# KiCad board Primero_esquematico.kicad_pcb
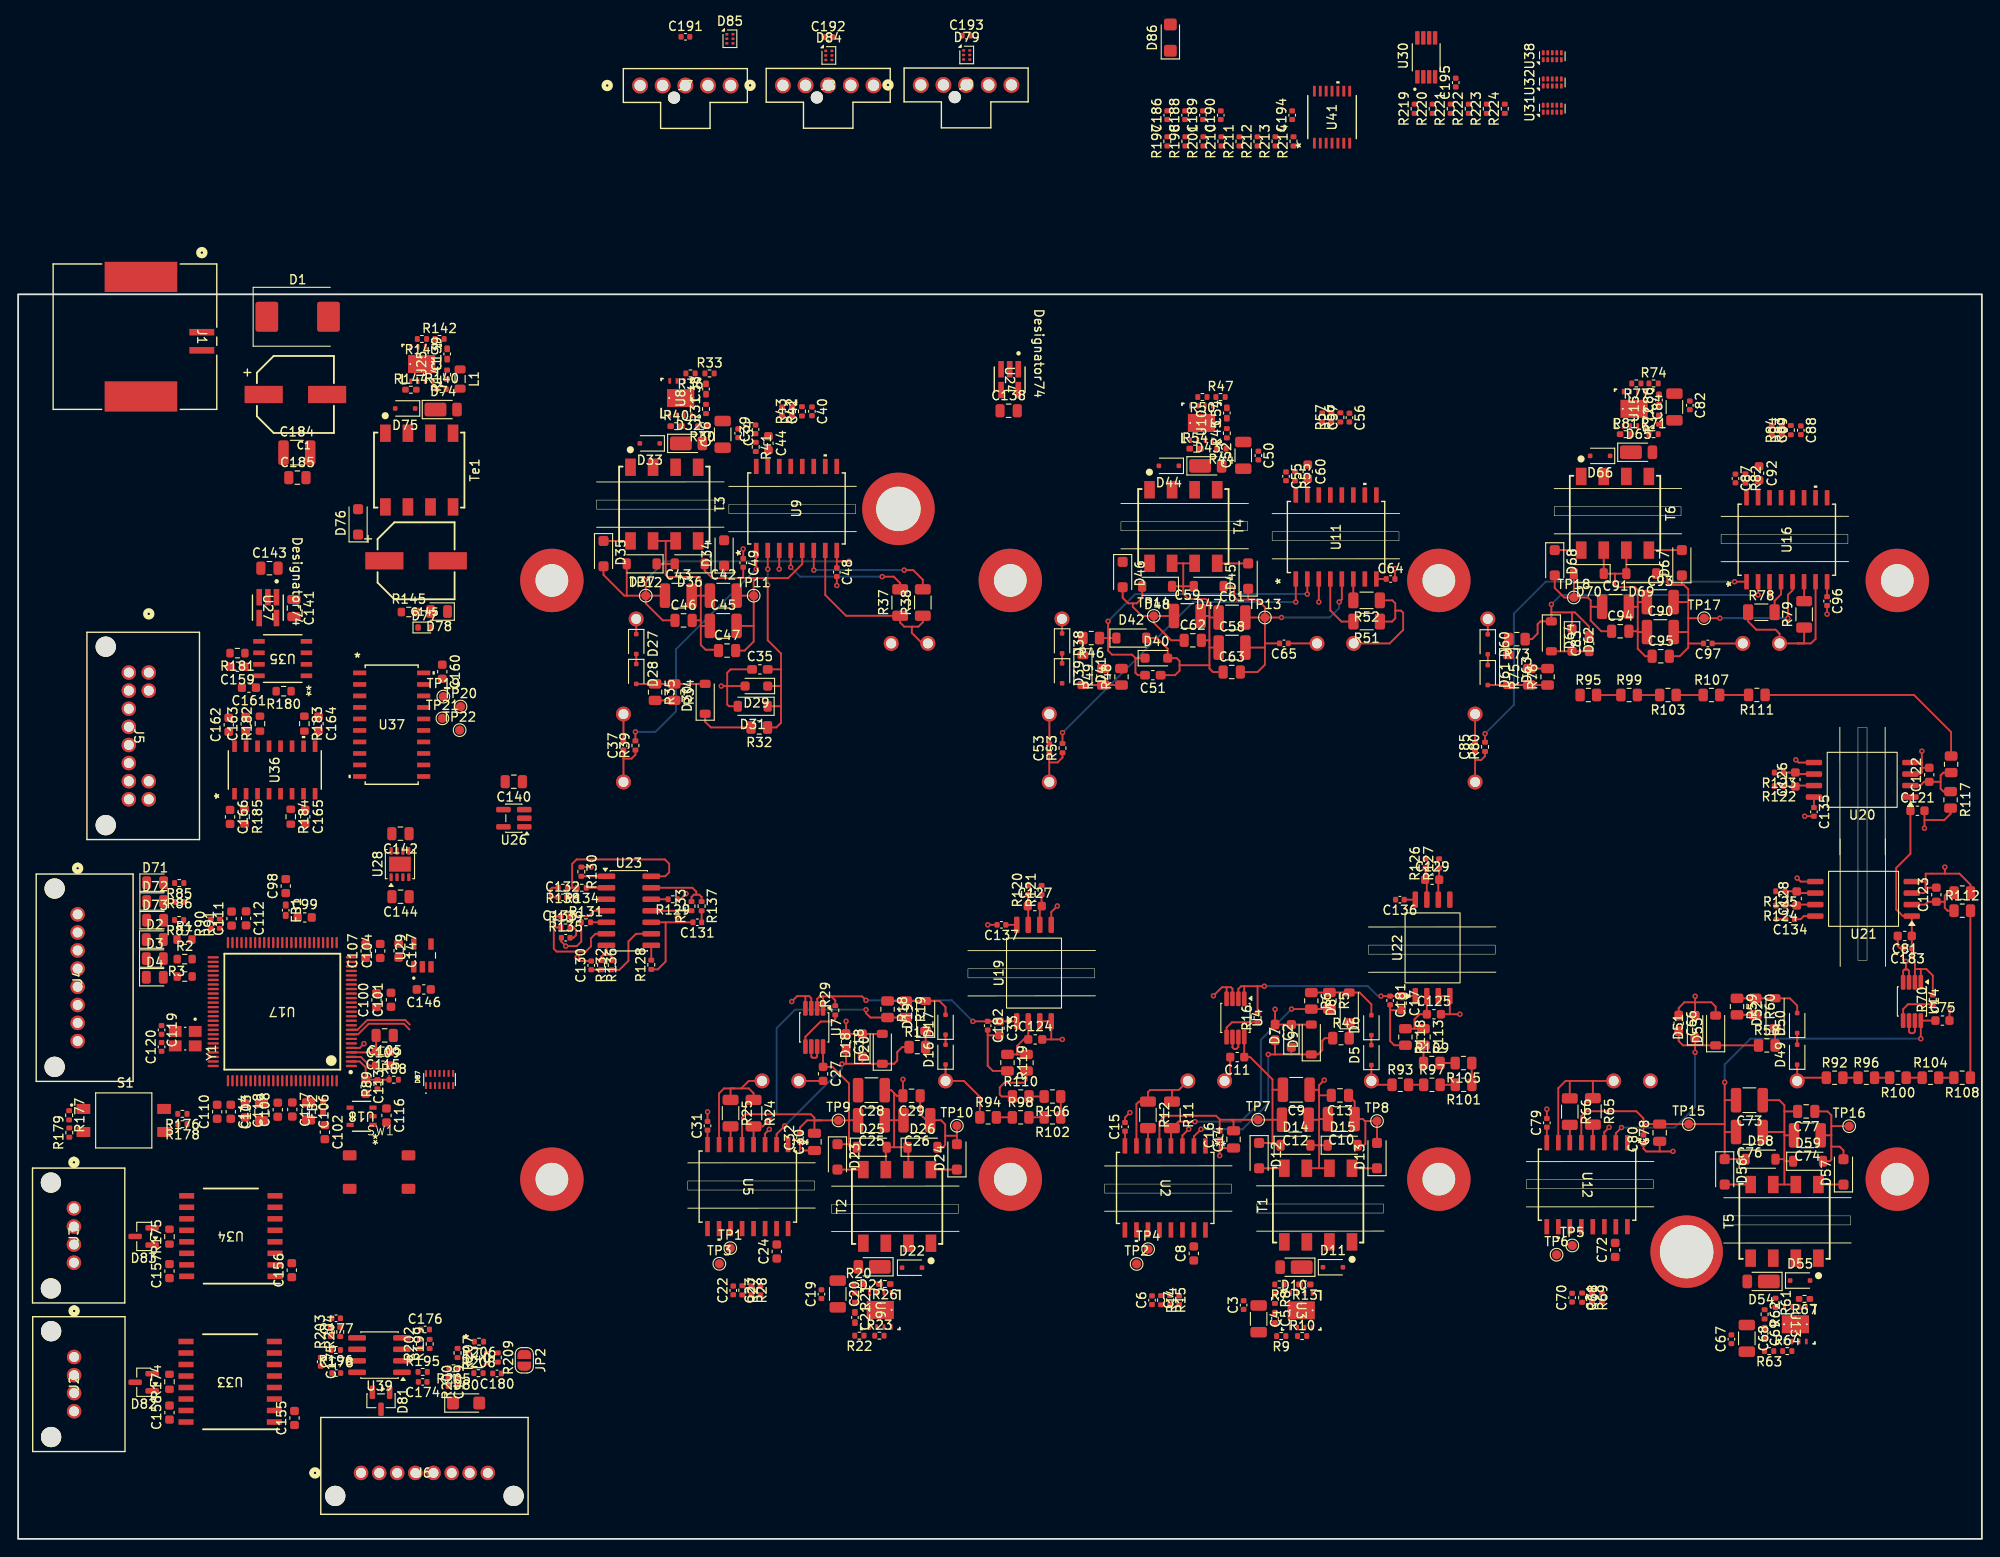
[diagram p0: board, top side]
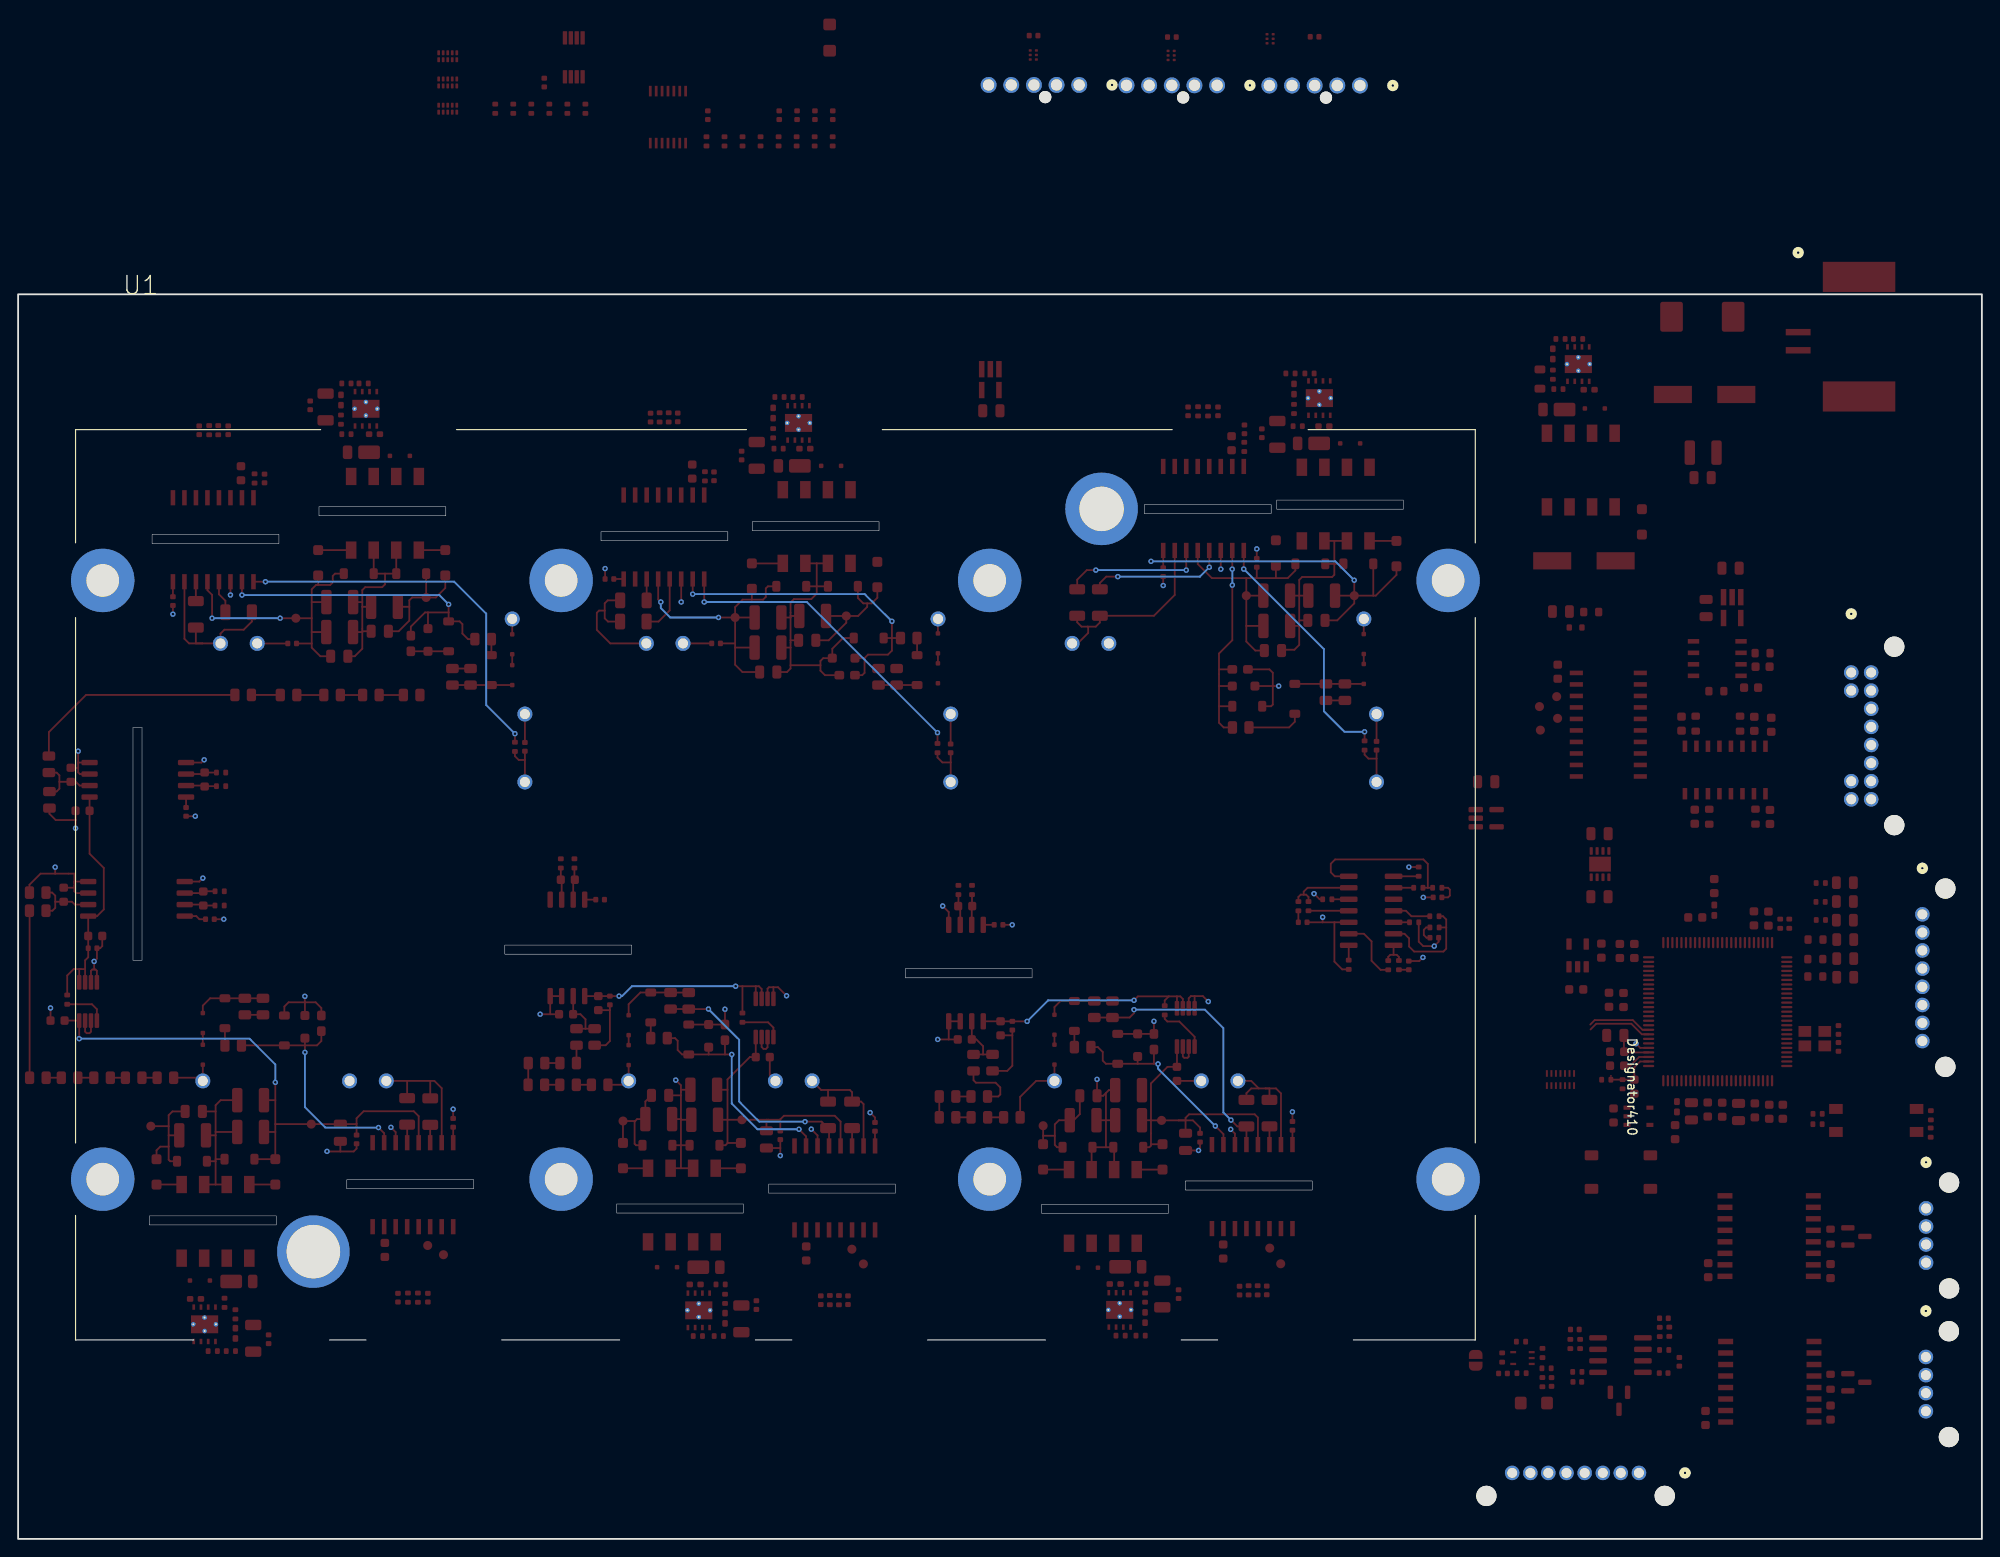
[diagram p1: board, bottom side, seen from below]

Outline 216.75 x 137.4 mm; copper layers: Top, In1.Cu, In2.Cu, In3.Cu, In4.Cu, Bottom. Coordinates in mm from the lower left corner of the outline.
Outline path: rectangle 0,137.4 216.75,0 ; rectangle 63.85,114.68 77.85,113.68 ; rectangle 73.92,39.51 87.92,38.51 ; rectangle 78.45,114.19 92.45,113.19 ; rectangle 89.79,36.94 103.79,35.94 ; rectangle 104.84,62.94 118.84,61.94 ; rectangle 119.92,39.17 133.92,38.17 ; rectangle 121.73,112.3 135.73,111.3 ; rectangle 136.7,36.97 150.7,35.97 ; rectangle 138.42,111.19 152.42,110.19 ; rectangle 149.04,65.55 163.04,64.55 ; rectangle 166.48,39.65 180.48,38.65 ; rectangle 169.55,113.95 183.55,112.95 ; rectangle 187.97,110.88 201.97,109.88 ; rectangle 188.26,35.66 202.26,34.66 ; rectangle 203.08,89.6 204.08,63.86
Stack: Top 0.035mm / dielectric 0.1mm FR4 er 4.5 / In1.Cu 0.035mm / dielectric 0.535mm FR4 er 4.5 / In2.Cu 0.035mm / dielectric 0.1mm FR4 er 4.5 / In3.Cu 0.035mm / dielectric 0.535mm FR4 er 4.5 / In4.Cu 0.035mm / dielectric 0.1mm FR4 er 4.5 / Bottom 0.035mm

## Placement (name value [footprint] x y rotation side)
C1  220uF  [WCAP-PSLC_8X11.7_DXL_]  30.61 126.34 180 top
C2  56pF  [C_0603_1608Metric_Pad1.08x0.95mm_HandSolder]  138.74 55.92 270 top
C3  100nF  [C_0402_1005Metric]  135.27 25.81 90 top
C4  10 uF  [C_1206_3216Metric]  136.93 24.29 270 top
C5  47nF  [C_0402_1005Metric_Pad0.74x0.62mm_HandSolder]  138.73 24.36 270 top
C6  100pF  [C_0402_1005Metric]  125.16 26.35 90 top
C7  100pF  [C_0402_1005Metric]  128.16 26.35 90 top
C8  1uF  [C_0603_1608Metric]  129.77 31.51 90 top
C9  10uF  [C_1210_3225Metric]  141.08 49.58 180 top
C10  22uF  [C_1210_3225Metric]  146.05 46.34 180 top
C11  4.8uF  [C_0603_1608Metric]  134.56 53.19 180 top
C12  10uF  [C_1210_3225Metric]  140.98 46.27 180 top
C13  1uF  [C_0805_2012Metric]  145.9 48.96 180 top
C14  1uF  [C_0805_2012Metric]  134.16 44.1 90 top
C15  100nF  [C_0402_1005Metric]  122.18 45.49 90 top
C16  100nF  [C_0402_1005Metric]  132.63 44.56 90 top
C17  4.8uF  [C_0603_1608Metric]  152.72 59.15 270 top
C18  56pF  [C_0603_1608Metric_Pad1.08x0.95mm_HandSolder]  91.39 54.88 270 top
C19  100nF  [C_0402_1005Metric]  88.67 27.02 90 top
C20  10 uF  [C_1206_3216Metric]  90.47 27.04 270 top
C21  47nF  [C_0402_1005Metric_Pad0.74x0.62mm_HandSolder]  92.37 24.44 270 top
C22  100pF  [C_0402_1005Metric]  78.94 27.43 90 top
C23  100pF  [C_0402_1005Metric]  81.94 27.41 90 top
C24  1uF  [C_0603_1608Metric]  83.74 31.73 90 top
C25  10uF  [C_1210_3225Metric]  94.19 46.22 180 top
C26  22uF  [C_1210_3225Metric]  99.2 46.22 180 top
C27  4.8uF  [C_0603_1608Metric]  88.85 51.34 270 top
C28  10uF  [C_1210_3225Metric]  94.19 49.54 180 top
C29  1uF  [C_0805_2012Metric]  98.62 48.92 180 top
C30  1uF  [C_0805_2012Metric]  87.9 43.83 90 top
C31  100nF  [C_0402_1005Metric]  76.1 45.6 90 top
C32  100nF  [C_0402_1005Metric]  86.3 44.29 90 top
C33  4.8uF  [C_0603_1608Metric]  108.32 56.37 270 top
C34  100nF  [C_0402_1005Metric]  79.48 122.06 270 top
C35  56pF  [C_0603_1608Metric_Pad1.08x0.95mm_HandSolder]  81.87 95.99 0 top
C36  10 uF  [C_1206_3216Metric]  77.77 121.94 90 top
C37  10pF  [C_0402_1005Metric]  66.82 87.56 90 top
C38  47nF  [C_0402_1005Metric_Pad0.74x0.62mm_HandSolder]  75.93 126.94 90 top
C39  220nF  [C_0402_1005Metric]  81.4 122.49 90 top
C40  100pF  [C_0402_1005Metric]  87.62 124.48 270 top
C41  100pF  [C_0402_1005Metric]  84.32 124.48 270 top
C42  10uF  [C_1210_3225Metric]  77.84 104.13 0 top
C43  22uF  [C_1210_3225Metric]  72.87 104.13 0 top
C44  1uF  [C_0603_1608Metric]  82.82 120.96 270 top
C45  10uF  [C_1210_3225Metric]  77.83 100.79 0 top
C46  1uF  [C_0805_2012Metric]  73.45 101.4 0 top
C47  1uF  [C_0805_2012Metric]  78.25 98.07 0 top
C48  100nF  [C_0402_1005Metric]  90.37 106.72 270 top
C49  100nF  [C_0402_1005Metric]  80.04 107.75 270 top
C50  100nF  [C_0402_1005Metric]  136.9 119.6 270 top
C51  56pF  [C_0603_1608Metric_Pad1.08x0.95mm_HandSolder]  125.25 95.35 180 top
C52  10 uF  [C_1206_3216Metric]  135.23 119.62 90 top
C53  10pF  [C_0402_1005Metric]  113.83 87.27 90 top
C54  47nF  [C_0402_1005Metric_Pad0.74x0.62mm_HandSolder]  133.42 124.29 90 top
C55  220nF  [C_0402_1005Metric]  139.95 117.31 270 top
C56  100pF  [C_0402_1005Metric]  146.95 123.79 270 top
C57  100pF  [C_0402_1005Metric]  143.95 123.81 270 top
C58  10uF  [C_1210_3225Metric]  133.99 98.4 0 top
C59  22uF  [C_1210_3225Metric]  129.06 101.89 0 top
C60  1uF  [C_0603_1608Metric]  142.35 117.83 270 top
C61  10uF  [C_1210_3225Metric]  133.98 101.72 0 top
C62  1uF  [C_0805_2012Metric]  129.66 99.2 0 top
C63  1uF  [C_0805_2012Metric]  133.96 95.7 0 top
C64  100nF  [C_0402_1005Metric]  151.49 105.97 0 top
C65  100nF  [C_0402_1005Metric]  139.72 98.86 180 top
C66  56pF  [C_0603_1608Metric_Pad1.08x0.95mm_HandSolder]  183.29 56.92 270 top
C67  100nF  [C_0402_1005Metric]  189.11 22.04 90 top
C68  10 uF  [C_1206_3216Metric]  190.81 22.14 270 top
C69  47nF  [C_0402_1005Metric_Pad0.74x0.62mm_HandSolder]  192.77 22.69 270 top
C70  100pF  [C_0402_1005Metric]  171.53 26.63 90 top
C71  100pF  [C_0402_1005Metric]  174.83 26.63 90 top
C72  1uF  [C_0603_1608Metric]  176.28 31.9 90 top
C73  10uF  [C_1210_3225Metric]  191.09 48.43 180 top
C74  22uF  [C_1210_3225Metric]  197.49 44.55 180 top
C75  4.8uF  [C_0603_1608Metric]  212.4 57.22 0 top
C76  10uF  [C_1210_3225Metric]  191.09 44.92 180 top
C77  1uF  [C_0805_2012Metric]  197.37 47.19 180 top
C78  1uF  [C_0805_2012Metric]  181.19 44.84 90 top
C79  100nF  [C_0402_1005Metric]  168.74 45.93 90 top
C80  100nF  [C_0402_1005Metric]  179.4 44.1 90 top
C81  4.8uF  [C_0603_1608Metric]  208.24 66.56 180 top
C82  100nF  [C_0402_1005Metric]  184.52 125.14 270 top
C83  56pF  [C_0603_1608Metric_Pad1.08x0.95mm_HandSolder]  173.41 98.85 90 top
C84  10 uF  [C_1206_3216Metric]  182.82 124.96 90 top
C85  10pF  [C_0402_1005Metric]  160.82 87.44 90 top
C86  47nF  [C_0402_1005Metric_Pad0.74x0.62mm_HandSolder]  181.12 125.73 90 top
C87  220nF  [C_0402_1005Metric]  189.56 117.07 270 top
C88  100pF  [C_0402_1005Metric]  196.77 122.39 270 top
C89  100pF  [C_0402_1005Metric]  193.57 122.39 270 top
C90  10uF  [C_1210_3225Metric]  181.26 100.11 0 top
C91  22uF  [C_1210_3225Metric]  176.32 102.9 0 top
C92  1uF  [C_0603_1608Metric]  192.16 117.65 270 top
C93  10uF  [C_1210_3225Metric]  181.25 103.42 0 top
C94  1uF  [C_0805_2012Metric]  176.84 100.2 0 top
C95  1uF  [C_0805_2012Metric]  181.31 97.44 0 top
C96  100nF  [C_0402_1005Metric]  199.67 103.53 270 top
C97  100nF  [C_0402_1005Metric]  186.51 98.85 180 top
C98  2.2uF  [C_0603_1608Metric]  29.54 72.07 90 top
C99  2.2uF  [C_0603_1608Metric]  31.64 68.6 0 top
C100  2.2uF  [C_0603_1608Metric]  39.56 59.49 90 top
C101  2.2uF  [C_0603_1608Metric]  41.16 59.52 90 top
C102  10uF  [C_0603_1608Metric]  33.86 44.9 270 top
C103  10uF  [C_0805_2012Metric]  26.86 47.13 90 top
C104  2.2uF  [C_0603_1608Metric]  39.96 64.9 90 top
C105  10uF  [C_0805_2012Metric]  40.46 55.58 180 top
C106  10uF  [C_0805_2012Metric]  32.06 47.2 270 top
C107  2.2uF  [C_0603_1608Metric]  38.36 64.9 90 top
C108  100nF  [C_0603_1608Metric]  28.66 47.38 90 top
C109  100nF  [C_0603_1608Metric]  40.27 52.24 0 top
C110  100nF  [C_0603_1608Metric]  21.97 47.15 90 top
C111  100nF  [C_0603_1608Metric]  23.56 68.48 90 top
C112  100nF  [C_0603_1608Metric]  25.16 68.5 270 top
C113  100nF  [C_0603_1608Metric]  38.36 49.93 270 top
C114  100nF  [C_0603_1608Metric]  23.47 47.15 270 top
C115  100nF  [C_0603_1608Metric]  40.26 53.78 180 top
C116  100nF  [C_0603_1608Metric]  40.66 46.74 270 top
C117  100nF  [C_0603_1608Metric]  30.26 47.4 270 top
C118  100nF  [C_0603_1608Metric]  25.06 47.3 270 top
C119  10pF  [C_0402_1005Metric]  15.83 56.18 270 top
C120  10pF  [C_0402_1005Metric]  15.83 54.31 90 top
C121  1uF  [C_0603_1608Metric]  209.64 80.38 0 top
C122  1nF  [C_0603_1608Metric]  210.94 84.36 90 top
C123  1nF  [C_0603_1608Metric]  211.73 71.12 90 top
C124  1nF  [C_0603_1608Metric]  112.27 55.14 0 top
C125  1nF  [C_0603_1608Metric]  156.27 57.92 0 top
C126  1nF  [C_0603_1608Metric]  196.17 83.84 90 top
C127  1nF  [C_0603_1608Metric]  112.22 69.86 0 top
C128  1nF  [C_0603_1608Metric]  196.32 70.7 90 top
C129  1nF  [C_0603_1608Metric]  156.08 72.77 0 top
C130  1nF  [C_0402_1005Metric]  63.26 63.31 90 top
C131  1nF  [C_0402_1005Metric]  74.97 68.07 180 top
C132  1nF  [C_0402_1005Metric]  60.09 70.82 0 top
C133  1nF  [C_0402_1005Metric]  60.44 66.37 180 top
C134  100nF  [C_0402_1005Metric]  195.59 68.41 180 top
C135  100nF  [C_0402_1005Metric]  198.22 80.26 270 top
C136  100nF  [C_0402_1005Metric]  152.52 70.57 180 top
C137  100nF  [C_0402_1005Metric]  108.54 67.79 180 top
C138  10uF  [C_0805_2012Metric]  109.33 124.54 0 top
C139  47nF  [C_0402_1005Metric_Pad0.74x0.62mm_HandSolder]  47.36 130.82 90 top
C140  1uF  [C_0805_2012Metric]  54.71 83.59 180 top
C141  10uF  [C_0805_2012Metric]  30.44 102.76 270 top
C142  1uF  [C_0805_2012Metric]  42.2 77.85 180 top
C143  1uF  [C_0805_2012Metric]  27.74 107.16 0 top
C144  1uF  [C_0805_2012Metric]  42.21 70.89 180 top
C145  220uF  [WCAP-PSLC_8X11.7_DXL_]  43.93 107.98 180 top
C146  0,1uF  [C_0603_1608Metric]  44.77 60.66 180 top
C147  0,1uF  [C_0603_1608Metric]  42 64.94 270 top
C155  100nF  [C_0603_1608Metric]  30.51 13.35 90 top
C156  100nF  [C_0603_1608Metric]  30.21 29.67 90 top
C157  100nF  [C_0603_1608Metric]  16.71 29.57 90 top
C158  100nF  [C_0603_1608Metric]  16.71 13.95 90 top
C159  10nF  [C_0603_1608Metric]  24.21 96.29 180 top
C160  100nF  [C_0603_1608Metric]  46.82 95.74 270 top
C161  100nF  [C_0603_1608Metric]  25.47 93.98 180 top
C162  100nF  [C_0603_1608Metric]  23.25 89.88 90 top
C163  10nF  [C_0603_1608Metric]  25.12 89.98 90 top
C164  10nF  [C_0603_1608Metric]  33.15 90 270 top
C165  10nF  [C_0603_1608Metric]  31.69 79.73 270 top
C166  10nF  [C_0603_1608Metric]  23.39 79.7 270 top
C174  1nF  [C_0402_1005Metric]  44.66 17.33 180 top
C175  1nF  [C_0402_1005Metric]  33.4 19.55 270 top
C176  2.2nF  [C_0402_1005Metric]  44.93 23.12 0 top
C177  2.2nF  [C_0402_1005Metric]  35.1 24.36 180 top
C178  100nF  [C_0402_1005Metric]  35.13 18.31 0 top
C179  2.2nF  [C_0402_1005Metric]  47.5 17.32 270 top
C180  100nF  [C_0402_1005Metric]  52.86 18.26 180 top
C181  100nF  [C_0402_1005Metric]  151.44 59.44 270 top
C182  100nF  [C_0402_1005Metric]  107.02 56.66 270 top
C183  100nF  [C_0402_1005Metric]  208.54 65.21 180 top
C184  22uF  [C_1210_3225Metric]  30.77 119.92 0 top
C185  100nF  [C_0805_2012Metric]  30.83 117.16 0 top
C186  100nF  [C_0402_1005Metric]  126.83 157.17 90 top
C188  100nF  [C_0402_1005Metric]  128.8 157.17 90 top
C189  100nF  [C_0402_1005Metric]  130.77 157.17 90 top
C190  100nF  [C_0402_1005Metric]  132.74 157.17 90 top
C191  47nF  [C_0402_1005Metric]  73.66 165.83 0 top
C192  47nF  [C_0402_1005Metric]  89.41 165.8 0 top
C193  47nF  [C_0402_1005Metric]  104.67 165.96 0 top
C194  1uF  [C_0402_1005Metric]  140.62 157.17 90 top
C195  1nF  [C_0402_1005Metric]  158.68 160.78 90 top
D1  SMDJ13A  [D_SMC]  30.86 134.92 0 top
D2  APT2012EC  [LED_0805_2012Metric]  15.09 66.16 0 top
D3  APT2012EC  [LED_0805_2012Metric]  15.09 64.06 0 top
D4  APT2012EC  [LED_0805_2012Metric]  15.09 62 0 top
D5  STTH112A  [D_SOD-323F]  149.37 53.41 90 top
D6  STTH112A  [D_SOD-323F]  149.37 56.71 90 top
D7  BAT54WS-7-F  [D_SOD-323_HandSoldering]  140.54 55.53 90 top
D8  BZT52C2V7-TP  [D_SOD-123]  146.93 58.67 90 top
D9  MMSZ5242B-7-F  [D_SOD-123]  142.74 55.13 90 top
D10  DFLZ24Q-7  [D_PowerDI-123]  140.83 29.99 180 top
D11  1N4148WS-Q  [D_SOD-323F]  145.13 29.99 0 top
D12  SDM1U100S1F-7  [D_SOD-123F]  136.98 42.31 270 top
D13  SDM1U100S1F-7  [D_SOD-123F]  149.99 42.31 90 top
D14  BZT52C18-7-F  [D_SOD-123]  140.99 43.46 0 top
D15  BZT52B8V2-E3-08  [D_SOD-123]  146.19 43.46 0 top
D16  STTH112A  [D_SOD-323F]  102.37 53.46 90 top
D17  STTH112A  [D_SOD-323F]  102.37 56.76 90 top
D18  BAT54WS-7-F  [D_SOD-323_HandSoldering]  93.19 54.5 90 top
D19  BZT52C2V7-TP  [D_SOD-123]  100.17 57.73 90 top
D20  MMSZ5242B-7-F  [D_SOD-123]  95.39 54.1 90 top
D21  DFLZ24Q-7  [D_PowerDI-123]  94.27 30.04 180 top
D22  1N4148WS-Q  [D_SOD-323F]  98.67 29.94 0 top
D23  SDM1U100S1F-7  [D_SOD-123F]  90.44 42.17 270 top
D24  SDM1U100S1F-7  [D_SOD-123F]  103.62 42.17 90 top
D25  BZT52C18-7-F  [D_SOD-123]  94.22 43.24 0 top
D26  BZT52B8V2-E3-08  [D_SOD-123]  99.82 43.24 0 top
D27  STTH112A  [D_SOD-323F]  68.23 98.79 270 top
D28  STTH112A  [D_SOD-323F]  68.23 95.49 270 top
D29  BAT54WS-7-F  [D_SOD-323_HandSoldering]  81.49 94.15 180 top
D30  BZT52C2V7-TP  [D_SOD-123]  75.84 92.74 90 top
D31  MMSZ5242B-7-F  [D_SOD-123]  81.09 91.92 180 top
D32  DFLZ24Q-7  [D_PowerDI-123]  74 120.94 0 top
D33  1N4148WS-Q  [D_SOD-323F]  69.73 120.94 180 top
D34  SDM1U100S1F-7  [D_SOD-123F]  77.93 108.84 90 top
D35  SDM1U100S1F-7  [D_SOD-123F]  64.62 108.77 270 top
D36  BZT52C18-7-F  [D_SOD-123]  74.13 107.64 180 top
D37  BZT52B8V2-E3-08  [D_SOD-123]  68.83 107.64 180 top
D38  STTH112A  [D_SOD-323F]  115.23 98.86 270 top
D39  STTH112A  [D_SOD-323F]  115.23 95.56 270 top
D40  BAT54WS-7-F  [D_SOD-323_HandSoldering]  125.64 97.23 0 top
D41  BZT52C2V7-TP  [D_SOD-123]  117.53 95.91 270 top
D42  MMSZ5242B-7-F  [D_SOD-123]  122.87 99.45 0 top
D43  DFLZ24Q-7  [D_PowerDI-123]  131.32 118.46 0 top
D44  1N4148WS-Q  [D_SOD-323F]  127.02 118.46 180 top
D45  SDM1U100S1F-7  [D_SOD-123F]  135.77 106.29 90 top
D46  SDM1U100S1F-7  [D_SOD-123F]  121.92 106.46 270 top
D47  BZT52C18-7-F  [D_SOD-123]  131.42 105.16 180 top
D48  BZT52B8V2-E3-08  [D_SOD-123]  125.72 105.16 180 top
D49  STTH112A  [D_SOD-323F]  196.37 53.45 90 top
D50  STTH112A  [D_SOD-323F]  196.37 56.95 90 top
D51  BAT54WS-7-F  [D_SOD-323_HandSoldering]  185.1 56.53 90 top
D52  BZT52C2V7-TP  [D_SOD-123]  193.93 58.03 90 top
D53  MMSZ5242B-7-F  [D_SOD-123]  187.37 56.13 90 top
D54  DFLZ24Q-7  [D_PowerDI-123]  192.39 28.42 180 top
D55  1N4148WS-Q  [D_SOD-323F]  196.69 28.52 0 top
D56  SDM1U100S1F-7  [D_SOD-123F]  188.37 40.52 270 top
D57  SDM1U100S1F-7  [D_SOD-123F]  201.48 40.51 90 top
D58  BZT52C18-7-F  [D_SOD-123]  192.32 41.92 0 top
D59  BZT52B8V2-E3-08  [D_SOD-123]  197.57 41.69 0 top
D60  STTH112A  [D_SOD-323F]  162.22 98.76 270 top
D61  STTH112A  [D_SOD-323F]  162.22 95.36 270 top
D62  BAT54WS-7-F  [D_SOD-323_HandSoldering]  171.52 99.24 270 top
D63  BZT52C2V7-TP  [D_SOD-123]  164.52 95.91 270 top
D64  MMSZ5242B-7-F  [D_SOD-123]  169.24 99.64 270 top
D65  DFLZ24Q-7  [D_PowerDI-123]  178.87 119.96 0 top
D66  1N4148WS-Q  [D_SOD-323F]  174.62 119.56 180 top
D67  SDM1U100S1F-7  [D_SOD-123F]  183.64 107.76 90 top
D68  SDM1U100S1F-7  [D_SOD-123F]  169.61 107.76 270 top
D69  BZT52C18-7-F  [D_SOD-123]  179.16 106.56 180 top
D70  BZT52B8V2-E3-08  [D_SOD-123]  173.37 106.56 180 top
D71  APT2012EC  [LED_0805_2012Metric]  15.12 72.44 0 top
D72  APT2012EC  [LED_0805_2012Metric]  15.12 70.36 0 top
D73  APT2012EC  [LED_0805_2012Metric]  15.12 68.3 0 top
D74  DFLZ24Q-7  [D_PowerDI-123]  46.92 124.68 0 top
D75  1N4148WS-Q  [D_SOD-323F]  42.72 124.8 180 top
D76  SDM1U100S1F-7  [D_SOD-123F]  37.53 112.28 90 top
D77  SZMM5Z5V6T1G  [D_SOD-523]  44.85 100.62 0 top
D78  APT2012EC  [LED_0805_2012Metric]  46.46 102.38 180 top
D79  PESD3V3L4UF  [SOT-886]  104.7 163.82 0 top
D80  SMF16A  [D_SMF]  49.45 15 0 top
D81  PESD5V0S2UAT,215  [SOT-23]  40.06 15.25 270 top
D82  PESD5V0S2UAT,215  [SOT-23]  13.86 17.29 180 top
D83  PESD5V0S2UAT,215  [SOT-23]  13.86 33.39 180 top
D84  PESD3V3L4UF  [SOT-886]  89.49 163.77 0 top
D85  PESD3V3L4UF  [SOT-886]  78.57 165.61 0 top
D86  SMF16A  [D_SMF]  127.18 165.74 90 top
D87  TPD6E05U06RVZR  [SON50P135X350X55-14N]  46.52 50.71 90 top
FB1  60 Ohm  [L_0402_1005Metric_Pad0.77x0.64mm_HandSolder]  29.54 69.4 270 top
FB2  220 Ohms  [L_0402_1005Metric_Pad0.77x0.64mm_HandSolder]  33.66 47.7 90 top
J1  349128022  [CONN_SD-34912-001_02_MOL]  12.9 132.72 270 top
J2  347920040  [CONN04_34792_MOL]  6.18 20.08 270 top
J3  347920040  [CONN04_34792_MOL]  6.16 36.49 270 top
J4  347928082  [CONN08_34792_MOL]  6.57 68.95 270 top
J5  348250125  [CONN_SD-34825-001_12_MOL]  14.42 95.65 270 top
J6  347928082  [CONN08_34792_MOL]  37.85 7.28 0 top
J7  1053091205  [CONN_SD-105309-100_05_MOL]  68.65 160.45 0 top
J8  1053091205  [CONN_SD-105309-100_05_MOL]  84.42 160.47 0 top
J9  1053091205  [CONN_SD-105309-100_05_MOL]  99.64 160.51 0 top
JP2  solotest  [SolderJumper-2_P1.3mm_Open_RoundedPad1.0x1.5mm]  55.87 19.71 270 top
L1  MLZ2012N6R8LT000  [L_0805_2012Metric]  48.78 128.05 270 top
R1  2k2  [R_0603_1608Metric]  18.36 66.16 0 top
R2  2k2  [R_0603_1608Metric]  18.39 64 0 top
R3  2k2  [R_0603_1608Metric]  18.39 62.08 0 top
R4  475  [R_0805_2012Metric]  146.01 55.28 0 top
R5  2k  [R_0805_2012Metric]  144.74 59.41 270 top
R6  2k  [R_0805_2012Metric]  142.74 59.4 270 top
R7  246k  [R_0402_1005Metric]  139.22 28.09 180 top
R8  37k  [R_0402_1005Metric]  138.73 26.5 270 top
R9  12k1  [R_0402_1005Metric]  139.42 22.39 180 top
R10  110k  [R_0402_1005Metric]  141.73 22.39 0 top
R11  2.4  [R_1206_3216Metric]  127.36 46.81 270 top
R12  5.1  [R_1206_3216Metric]  124.71 46.81 270 top
R13  154k  [R_0402_1005Metric_Pad0.72x0.64mm_HandSolder]  142.03 28.09 180 top
R14  5k  [R_0402_1005Metric]  126.16 26.35 270 top
R15  2k  [R_0402_1005Metric]  127.16 26.36 270 top
R16  330k  [R_0402_1005Metric]  136.81 57.54 90 top
R17  475  [R_0805_2012Metric]  99.25 54.29 0 top
R18  2k  [R_0805_2012Metric]  95.97 58.47 270 top
R19  2k  [R_0805_2012Metric]  97.97 58.47 270 top
R20  246k  [R_0402_1005Metric]  92.77 28.14 0 top
R21  37k  [R_0402_1005Metric]  92.37 26.64 270 top
R22  12k1  [R_0402_1005Metric]  92.86 22.44 180 top
R23  110k  [R_0402_1005Metric]  95.07 22.44 0 top
R24  2.4  [R_1206_3216Metric]  81.18 47 270 top
R25  5.1  [R_1206_3216Metric]  78.64 47 270 top
R26  154k  [R_0402_1005Metric_Pad0.72x0.64mm_HandSolder]  95.67 28.14 180 top
R27  5k  [R_0402_1005Metric]  79.94 27.44 270 top
R28  2k  [R_0402_1005Metric]  80.94 27.44 270 top
R29  330k  [R_0402_1005Metric]  90.2 58.35 90 top
R30  246k  [R_0402_1005Metric]  75.52 122.84 180 top
R31  37k  [R_0402_1005Metric]  75.93 124.74 90 top
R32  475  [R_0805_2012Metric]  81.81 89.58 180 top
R33  12k1  [R_0402_1005Metric]  76.32 128.66 0 top
R34  2k  [R_0805_2012Metric]  72.41 93.48 270 top
R35  2k  [R_0805_2012Metric]  70.31 93.48 270 top
R36  110k  [R_0402_1005Metric]  74.22 128.66 180 top
R37  2.4  [R_1206_3216Metric]  97.36 103.37 90 top
R38  5.1  [R_1206_3216Metric]  99.86 103.37 90 top
R39  10  [R_0402_1005Metric]  68.14 87.59 90 top
R40  154k  [R_0402_1005Metric_Pad0.72x0.64mm_HandSolder]  72.63 122.84 0 top
R41  360  [R_0402_1005Metric]  81.42 120.55 270 top
R42  5k  [R_0402_1005Metric]  86.52 124.48 90 top
R43  2k  [R_0402_1005Metric]  85.42 124.48 90 top
R44  246k  [R_0402_1005Metric]  132.82 120.36 180 top
R45  37k  [R_0402_1005Metric]  133.42 122.06 90 top